# Altium PCB DIOT_SMA16.PcbDoc (part 5 of 6)
Units mm, origin at the board's own origin, x right, y up, seen from the top; angles counter-clockwise.
Board outline 222.37 x 100 mm, 6 copper layers (TopLayer, MidLayer1, MidLayer2, Layer 1, Layer 2, Bottom Layer), stack 1.556 mm thick; 440 components, 301 nets, 1807 pads, 862 vias.
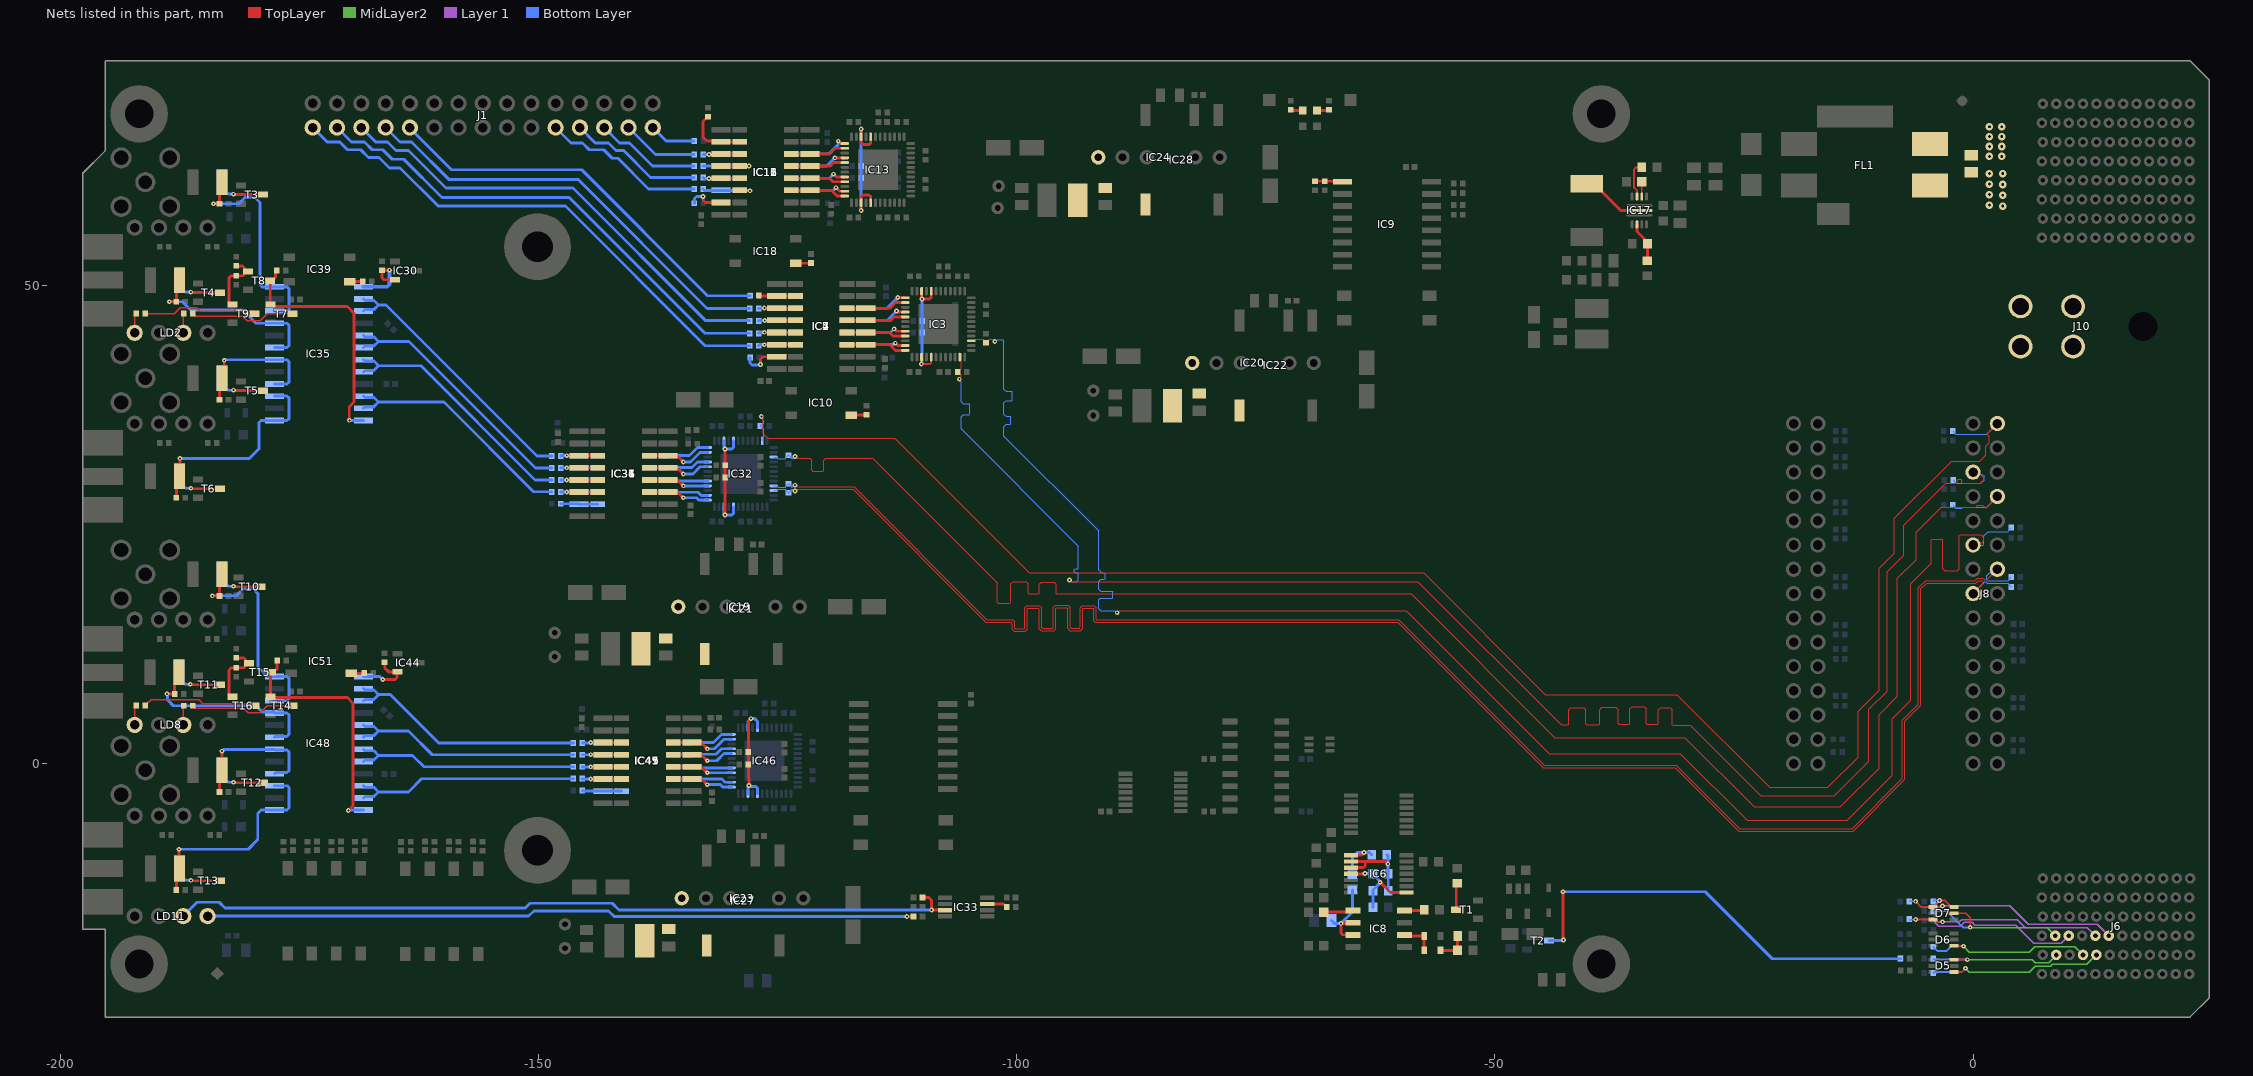
[diagram p9: the nets of this part, all layers, seen from the top]

## Via types
v1: diameter 0.5, hole 0.2, TopLayer to Bottom Layer, tented both sides, 762 vias
v2: diameter 0.8, hole 0.3, TopLayer to Bottom Layer, tented both sides, 100 vias

## Nets (pads, with @x,y where several pads share a name; then routed paths per layer and width w, separated by ;. In a path a pad name is that pad's centre, name@x,y a point inside that pad or via, vN(x,y) a via of type N, cw(c..) or ccw(c..) an arc to the next point about the centre after c; other vN are vias at no path point) (continued)
LVDS_DUAL.LVDS_N4: IC32.10 J8.15 R76.2 R167.2 | length 183.1
  TopLayer w0.12: v1(-123.2,28.496) -123.117,28.496 -122.94,28.674 -117.114,28.674 -103.24,14.8 -100.564,14.8 -100.493,14.73 -100.493,14.07 -100.268,13.844 -99.125,13.844 -98.899,14.07 -98.899,16.195 -98.829,16.265 -97.735,16.265 -97.665,16.195 -97.665,14.107 -97.439,13.882 -96.126,13.882 -95.9,14.107 -95.9,16.238 -95.83,16.309 -94.735,16.309 -94.665,16.238 -94.665,14.139 -94.439,13.913 -93.326,13.913 -93.1,14.139 -93.1,16.2 -93.03,16.27 -92.022,16.27 -91.952,16.2 -91.952,14.955 -91.796,14.8 -60.174,14.8 -44.962,-0.412 -31.162,-0.412 -24.512,-7.062 -12.538,-7.062 -7.125,-1.649 -7.125,4.425 -5.45,6.1 -5.45,18.276 -4.843,18.883 0.285,18.883 0.547,19.145 0.9,19.145 1.05,18.995 1.05,18.83 J8.15@0,17.78
  Bottom Layer w0.085: IC32.10@-125.423,28.55 -125.109,28.55 -124.966,28.694 -124.19,28.694 -124.14,28.644 -124.14,28.577 -123.893,28.33 R76.2@-123.873,28.33 -123.853,28.33 -123.606,28.577 -123.606,28.644 -123.556,28.694 -123.457,28.694 -123.26,28.496 v1(-123.2,28.496)
  Bottom Layer w0.12: J8.15@0,17.78 1.215,18.995 1.314,18.995 1.47,18.839 3.7,18.839 3.77,18.769 3.77,18.705 R167.2@4,18.475
LVDS_DUAL.LVDS_P0: IC32.47 J8.2 R64.1 R145.2 | length 184.2
  TopLayer w0.12: v1(-126.716,36.3) -126.716,36.217 -126.539,36.04 -126.539,34.516 -126.022,34 -112.775,34 -98.722,19.947 -57.447,19.947 -44.715,7.215 -30.965,7.215 -21.263,-2.487 -15.197,-2.487 -12.022,0.687 -12.022,5.478 -9.822,7.678 -9.822,20.412 -8.229,22.006 -8.229,25.655 -2.246,31.638 0.713,31.638 1.316,32.241 1.316,33.182 1.702,33.568 1.702,34.183 1.482,34.403 1.482,34.502 J8.2@2.54,35.56
  Bottom Layer w0.085: v1(-126.716,36.3) -126.716,36.246 -126.512,36.043 -126.512,35.807 -126.479,35.774 -126.479,35.617 -126.529,35.567 -126.596,35.567 -126.843,35.32 R64.1@-126.843,35.3 -126.843,35.28 -126.596,35.033 -126.529,35.033 -126.479,34.983 -126.479,34.207 -126.623,34.064 IC32.47@-126.623,33.75
  Bottom Layer w0.12: R145.2@-2.123,34.8 -1.893,34.57 -1.893,34.51 -1.823,34.44 1.42,34.44 J8.2@2.54,35.56
LVDS_DUAL.LVDS_P1: IC3.47 J8.5 R6.1 R146.2 | length 183.7
  TopLayer w0.085: v1(-106.009,40.2) -106.009,40.254 -105.805,40.457 -105.805,40.649 -105.855,40.699 -105.921,40.699 -106.169,40.947 R6.1@-106.169,40.967 -106.169,40.987 -105.921,41.234 -105.855,41.234 -105.805,41.284 -105.805,42.059 -105.949,42.203 IC3.47@-105.949,42.517
  TopLayer w0.12: v1(-94.5,19.2) -94.417,19.2 -94.24,19.023 -58.048,19.023 -43.079,4.054 -42.36,4.054 -42.29,4.124 -42.29,5.61 -42.065,5.836 -40.718,5.836 -40.493,5.61 -40.493,4.151 -40.422,4.081 -39.132,4.081 -39.062,4.151 -39.062,5.649 -38.837,5.874 -37.346,5.874 -37.12,5.649 -37.12,4.177 -37.05,4.107 -35.948,4.107 -35.877,4.177 -35.877,5.713 -35.652,5.939 -34.396,5.939 -34.171,5.713 -34.171,4.177 -34.1,4.107 -32.97,4.107 -32.9,4.177 -32.9,5.633 -32.674,5.858 -31.661,5.858 -31.435,5.633 -31.435,4.07 -31.365,4 -29.576,4 -22.203,-3.372 -14.505,-3.372 -10.887,0.245 -10.887,5.662 -8.962,7.587 -8.962,20.048 -7.228,21.783 -7.228,24.952 -2.86,29.321 -1.713,29.321 -1.643,29.391 -1.643,29.656 -1.572,29.727 -1.27,29.727 -1.2,29.656 -1.2,29.391 -1.13,29.321 0.724,29.321 1.111,29.707 1.111,29.886 0.801,30.197 0.283,30.197 J8.5@0,30.48
  Bottom Layer w0.12: v1(-106.009,40.2) -106.009,40.117 -105.831,39.94 -105.831,37.868 -105.606,37.642 -104.986,37.642 -104.915,37.572 -104.915,36.57 -104.986,36.5 -105.606,36.5 -105.831,36.275 -105.831,35.015 -93.553,22.736 -93.553,20.451 -93.623,20.38 -93.906,20.38 -93.976,20.31 -93.976,20.054 -93.906,19.984 -93.623,19.984 -93.553,19.914 -93.553,19.222 -93.752,19.023 -94.24,19.023 -94.417,19.2 v1(-94.5,19.2) ; R146.2@-2.085,29.675 -1.855,29.445 -1.855,29.39 -1.785,29.32 0.827,29.32 1.144,29.637 1.144,30.051 0.91,30.285 0.195,30.285 J8.5@0,30.48
LVDS_DUAL.LVDS_P2: IC32.3 J8.8 R71.1 R147.2 | length 184.1
  TopLayer w0.12: v1(-123.2,32.116) -123.117,32.116 -122.94,31.939 -121.641,31.939 -121.416,31.713 -121.416,30.658 -121.345,30.587 -120.27,30.587 -120.2,30.658 -120.2,31.713 -119.974,31.939 -115.08,31.939 -102.032,18.89 -102.032,16.854 -101.962,16.784 -100.683,16.784 -100.613,16.854 -100.613,18.803 -100.387,19.029 -99.028,19.029 -98.802,18.803 -98.802,17.813 -98.732,17.742 -97.743,17.742 -97.673,17.813 -97.673,18.745 -97.448,18.97 -96.088,18.97 -95.863,18.745 -95.863,17.765 -58.765,17.765 -43.727,2.728 -30.128,2.728 -22.903,-4.497 -13.876,-4.497 -9.837,-0.459 -9.837,5.137 -7.912,7.062 -7.912,19.372 -5.962,21.322 -5.962,24.187 -3.337,26.812 0.258,26.812 0.482,27.036 1.004,27.036 1.267,26.773 1.373,26.773 J8.8@2.54,27.94
  Bottom Layer w0.085: IC32.3@-125.423,32.05 -125.109,32.05 -124.966,31.906 -124.74,31.906 -124.19,31.906 -124.14,31.956 -124.14,32.023 -123.893,32.27 R71.1@-123.873,32.27 -123.853,32.27 -123.606,32.023 -123.606,31.956 -123.556,31.906 -123.455,31.906 -123.245,32.116 v1(-123.2,32.116)
  Bottom Layer w0.12: R147.2@-2.123,27.05 -1.893,26.82 -1.893,26.753 -1.823,26.682 -1.162,26.682 -1.033,26.812 1.412,26.812 J8.8@2.54,27.94
LVDS_DUAL.LVDS_P3: IC3.3 J8.11 R12.1 R148.2 | length 182.2
  TopLayer w0.085: IC3.3@-104.749,44.217 -104.435,44.217 -104.291,44.361 -103.516,44.361 -103.466,44.31 -103.466,44.244 -103.219,43.997 R12.1@-103.199,43.997 -103.179,43.997 -102.931,44.244 -102.931,44.31 -102.881,44.361 -102.5,44.361 -102.3,44.161 v1(-102.3,44.157)
  TopLayer w0.12: v1(-89.5,15.784) -89.417,15.784 -89.24,15.961 -59.261,15.961 -44.335,1.035 -30.61,1.035 -23.638,-5.937 -13.167,-5.937 -8.447,-1.218 -8.447,4.678 -6.522,6.603 -6.522,18.817 -4.385,20.955 -4.385,23.397 -4.315,23.467 -3.235,23.467 -3.165,23.397 -3.165,20.387 -2.939,20.161 -1.657,20.161 -1.431,20.387 -1.431,23.877 -1.361,23.947 0.8,23.947 1.111,23.636 1.111,23.317 0.9,23.106 0.246,23.106 J8.11@0,22.86
  Bottom Layer w0.12: v1(-102.3,44.157) -102.197,44.157 -102.046,44.308 -101.49,44.308 -101.353,44.17 -101.353,39.146 -101.127,38.921 -100.541,38.921 -100.471,38.85 -100.471,38.011 -100.541,37.941 -101.127,37.941 -101.353,37.715 -101.353,36.526 -101.127,36.3 -100.689,36.3 -100.618,36.23 -100.618,35.548 -100.689,35.478 -101.127,35.478 -101.353,35.253 -101.353,34.252 -91.453,24.352 -91.453,20.269 -91.159,19.976 -90.83,19.976 -90.759,19.906 -90.759,19.327 -90.83,19.257 -91.227,19.257 -91.453,19.031 -91.453,18.259 -91.227,18.034 -90.029,18.034 -89.959,17.963 -89.959,17.362 -90.029,17.291 -91.297,17.291 -91.453,17.136 -91.453,16.187 -91.227,15.961 -89.76,15.961 -89.583,15.784 v1(-89.5,15.784) ; J8.11@0,22.86 1.067,22.86 1.137,22.93 1.137,23.808 1.587,24.258 3.675,24.258 3.745,24.328 3.745,24.445 R148.2@3.975,24.675
LVDS_DUAL.LVDS_P4: IC32.9 J8.14 R76.1 R149.2 | length 183.3
  TopLayer w0.12: v1(-123.2,29.116) -123.117,29.116 -122.94,28.939 -117.004,28.939 -103.13,15.065 -100.454,15.065 -100.228,14.839 -100.228,14.179 -100.158,14.109 -99.234,14.109 -99.164,14.179 -99.164,16.305 -98.939,16.53 -97.626,16.53 -97.4,16.305 -97.4,14.217 -97.33,14.147 -96.235,14.147 -96.165,14.217 -96.165,16.348 -95.939,16.574 -94.626,16.574 -94.4,16.348 -94.4,14.249 -94.33,14.178 -93.435,14.178 -93.365,14.249 -93.365,16.309 -93.139,16.535 -91.912,16.535 -91.687,16.309 -91.687,15.065 -60.065,15.065 -44.852,-0.147 -31.053,-0.147 -24.403,-6.797 -12.648,-6.797 -7.39,-1.539 -7.39,4.535 -5.715,6.21 -5.715,18.386 -4.953,19.148 0.176,19.148 0.438,19.41 1.018,19.41 1.225,19.203 1.423,19.203 J8.14@2.54,20.32
  Bottom Layer w0.085: IC32.9@-125.423,29.05 -125.109,29.05 -124.966,28.906 -124.19,28.906 -124.14,28.956 -124.14,29.023 -123.893,29.27 R76.1@-123.873,29.27 -123.853,29.27 -123.606,29.023 -123.606,28.956 -123.556,28.906 -123.455,28.906 -123.245,29.116 v1(-123.2,29.116)
  Bottom Layer w0.12: J8.14@2.54,20.32 2.14,20.32 1.455,19.636 1.455,19.228 1.579,19.104 3.671,19.104 3.77,19.203 3.77,19.295 R149.2@4,19.525
NetC8_2: C8.2 IC8.6 IC8.7 R35.2 | length 8.7
  TopLayer w0.3: IC8.7@-64.85,-17.91 -64.86,-17.9 -65.924,-17.9 -66.1,-17.724 v1(-66.1,-16.7) -64.91,-16.7 IC8.6@-64.85,-16.64
  Bottom Layer w0.3: C8.2@-67.1,-16.4 -66.8,-16.7 v1(-66.1,-16.7) -64.9,-15.5 R35.2@-64.9,-13.2
NetC11_2: C11.2 IC8.5 | length 3.1
  TopLayer w0.3: C11.2@-67.9,-15.525 -65.005,-15.525 IC8.5@-64.85,-15.37
NetC12_2: C12.2 D2.1 R39.2 | length 3.3
  TopLayer w0.3: D2.1@-55.7,-19.525 C12.2@-53.9,-19.525 R39.2@-53.9,-18.025
NetC38_2: C38.2 IC19.6 IC21.8 L1.2
NetC48_2: C48.2 IC20.6 IC22.8 L2.2
NetC59_2: C59.2 IC23.6 IC27.8 L3.2
NetC68_2: C68.2 IC24.6 IC28.8 L4.2
NetC79_2: C79.2 IC17.9 | length 1.5
  TopLayer w0.2: IC17.9@-34.65,59.3 C79.2@-34.65,60.85
NetC264_1: C264.1 FL1.3 J10.1 J10.2
  other v2: 1.7,63.5 3,63.5 1.7,64.533 3,64.533 1.7,65.567 3,65.567 1.7,66.6 3,66.6
NetC264_2: C264.2 FL1.1 J10.3 J10.4
  other v2: 3.1,58.3 1.7,58.4 3.1,59.433 1.7,59.5 3.1,60.567 1.7,60.6 1.7,61.7 3.1,61.7
NetD1_2: D1.2 D2.2 IC8.2 | length 3.6
  TopLayer w0.3: IC8.2@-59.45,-17.91 -59.335,-18.025 D1.2@-57.4,-18.025 D2.2@-57.4,-19.525
NetD5_4: D5.4 J6.H2 R133.2 | length 19.5
  TopLayer w0.2: D5.4@-2,-21.8 -1.2,-21.8 v1(-0.8,-21.4)
  MidLayer2 w0.15: v1(-0.8,-21.4) -0.4,-21.8 5.9,-21.8 6.5,-21.2 8.1,-21.2 8.3,-21 11.896,-21 J6.H2@12.896,-20
  Bottom Layer w0.2: R133.2@-4.16,-21.9 -4.06,-21.8 -1.2,-21.8 v1(-0.8,-21.4)
NetD5_6: D5.6 J6.K2 R138.2 | length 14.8
  TopLayer w0.2: D5.6@-2,-20.5 v1(-0.6,-20.5)
  MidLayer2 w0.15: v1(-0.6,-20.5) 6.2,-20.5 6.507,-20.806 7.89,-20.806 J6.K2@8.696,-20
  Bottom Layer w0.2: R138.2@-4.16,-20.4 -4.06,-20.5 v1(-0.6,-20.5)
NetD6_4: D6.4 J6.I2 R137.2 | length 17.9
  TopLayer w0.2: D6.4@-2,-19.05 -1.95,-19.1 v1(-1,-19.1)
  MidLayer2 w0.15: v1(-1,-19.1) -0.399,-19.701 5.899,-19.701 6.457,-19.143 10.639,-19.143 J6.I2@11.496,-20
  Bottom Layer w0.2: R137.2@-4.16,-19.15 -4.16,-19.17 -3.93,-19.4 -3.91,-19.4 -3.71,-19.6 -2.8,-19.6 -2.3,-19.1 v1(-1,-19.1)
NetD7_1: D7.1 J6.G3 R139.2 | length 22.4
  TopLayer w0.2: v1(-6,-14.4) -5.4,-15 -3.401,-15 -3.281,-14.88 v1(-3.2,-14.88)
  Layer 1 w0.15: v1(-3.2,-14.88) 3.851,-14.88 5.749,-16.778 12.974,-16.778 J6.G3@14.196,-18
  Bottom Layer w0.15: R139.2@-6.66,-14.4 v1(-6,-14.4)
NetD7_3: D7.3 J6.H3 R135.2 | length 20.4
  TopLayer w0.2: v1(-6,-16.3) -3.925,-16.3 -3.825,-16.4 -3.825,-16.423 -3.708,-16.54 v1(-3.2,-16.54)
  Layer 1 w0.15: v1(-3.2,-16.54) -1.44,-16.54 -1.2,-16.3 4.595,-16.3 5.463,-17.169 11.965,-17.169 J6.H3@12.796,-18
  Bottom Layer w0.15: R135.2@-6.66,-16.4 -6.56,-16.3 v1(-6,-16.3)
NetD7_5: D7.5 J6.K3 R134.2 | length 16.7
  TopLayer w0.2: D7.5@-2,-15.65 -0.75,-15.65 -0.3,-16.1 -0.3,-17.115 v1(-0.297,-17.118)
  MidLayer2 w0.15: v1(-0.297,-17.118) -0.266,-17.149 7.745,-17.149 J6.K3@8.596,-18
  Bottom Layer w0.2: R134.2@-4.16,-15.4 -2.8,-15.4 -1.082,-17.118 v1(-0.297,-17.118)
NetD7_6: D7.6 J6.J3 R132.2 | length 20.5
  TopLayer w0.2: v1(-3.5,-14.3) -2.95,-14.3 -2.375,-14.875 -2.375,-14.9 -2.275,-15 D7.6@-2,-15
  Layer 1 w0.15: v1(-3.5,-14.3) -3.96,-14.76 -3.96,-16.62 -3.58,-17 -1.3,-17 -0.9,-16.6 -0.1,-16.6 0.2,-16.9 4.477,-16.9 6.368,-18.791 9.205,-18.791 J6.J3@9.996,-18
  Bottom Layer w0.15: R132.2@-4.16,-14.4 -4.06,-14.3 v1(-3.5,-14.3)
NetIC2_3: IC2.3 IC4.3 IC5.14 IC7.14 R7.2 | length 7.2
  TopLayer w0.3: v1(-126.4,43.8) -126.388,43.812 IC7.14@-125.099,43.812 IC5.14@-123.149,43.812
  Bottom Layer w0.3: R7.2@-127,43.7 -126.888,43.812 IC4.3@-125.099,43.812 IC2.3@-123.149,43.812
NetIC2_4: IC2.4 IC4.4 IC5.13 IC7.13 R8.2 | length 7.1
  TopLayer w0.3: v1(-126.4,45.1) -126.382,45.082 IC7.13@-125.099,45.082 IC5.13@-123.149,45.082
  Bottom Layer w0.3: R8.2@-127,45 -126.918,45.082 IC4.4@-125.099,45.082 IC2.4@-123.149,45.082
NetIC2_5: IC2.5 IC4.5 IC5.12 IC7.12 R9.2 | length 7.1
  TopLayer w0.3: v1(-126.352,46.348) -126.352,46.352 IC7.12@-125.099,46.352 IC5.12@-123.149,46.352
  Bottom Layer w0.3: R9.2@-127,46.3 -126.948,46.352 IC4.5@-125.099,46.352 IC2.5@-123.149,46.352
NetIC2_6: IC2.6 IC4.6 IC5.11 IC7.11 R10.2 | length 7.1
  TopLayer w0.3: v1(-126.4,47.643) -126.378,47.622 IC7.11@-125.099,47.622 IC5.11@-123.149,47.622
  Bottom Layer w0.3: R10.2@-127,47.6 -126.978,47.622 IC4.6@-125.099,47.622 IC2.6@-123.149,47.622
NetIC2_11: IC2.11 IC3.25 IC4.11 | length 6.6
  TopLayer w0.3: v1(-112.447,48.737) -112.447,48.721 -112.443,48.717 IC3.25@-111.649,48.717
  Bottom Layer w0.3: IC2.11@-117.749,47.622 IC4.11@-115.799,47.622 -113.546,47.622 -112.447,48.721 v1(-112.447,48.737)
NetIC2_12: IC2.12 IC3.28 IC4.12 | length 6.6
  TopLayer w0.3: v1(-112.574,47.342) -112.449,47.217 IC3.28@-111.649,47.217
  Bottom Layer w0.3: IC2.12@-117.749,46.352 IC4.12@-115.799,46.352 -113.564,46.352 v1(-112.574,47.342)
NetIC2_13: IC2.13 IC3.32 IC4.13 | length 6.4
  TopLayer w0.3: v1(-112.824,45.467) -112.574,45.217 IC3.32@-111.649,45.217
  Bottom Layer w0.3: IC2.13@-117.749,45.082 IC4.13@-115.799,45.082 -113.209,45.082 v1(-112.824,45.467)
NetIC2_14: IC2.14 IC3.35 IC4.14 | length 6.3
  TopLayer w0.3: v1(-112.699,43.967) -112.449,43.717 IC3.35@-111.649,43.717
  Bottom Layer w0.3: IC2.14@-117.749,43.812 IC4.14@-115.799,43.812 -112.908,43.812 -112.753,43.967 v1(-112.699,43.967)
NetIC3_20: IC3.20 IC3.22 IC3.39 IC3.41 R5.1 R14.1 | length 11.8
  TopLayer w0.2: v1@-110,41.8 -109.974,41.826 -109.974,42.491 IC3.39@-109.949,42.517 ; v1(-109.98,41.8) -109.066,41.8 -108.949,41.917 IC3.41@-108.949,42.517
  TopLayer w0.3: IC3.22@-109.949,49.417 -109.949,48.649 v1(-109.9,48.6) -109.124,48.6 -108.949,48.776 IC3.20@-108.949,49.417
  Bottom Layer w0.3: v1(-109.98,41.8) -109.98,41.854 -109.9,41.934 R14.1@-109.9,45.1 R5.1@-109.9,46.3 v1(-109.9,48.6)
NetIC3_26: IC3.26 IC5.6 IC7.6 | length 6.3
  TopLayer w0.3: IC5.6@-117.749,47.622 IC7.6@-115.799,47.622 -113.294,47.622 -112.699,48.217 IC3.26@-111.649,48.217
NetIC3_29: IC3.29 IC5.5 IC7.5 | length 6.3
  TopLayer w0.3: IC5.5@-117.749,46.352 IC7.5@-115.799,46.352 -113.189,46.352 -112.824,46.717 IC3.29@-111.649,46.717
NetIC3_33: IC3.33 IC5.4 IC7.4 | length 6.3
  TopLayer w0.3: IC5.4@-117.749,45.082 IC7.4@-115.799,45.082 -113.314,45.082 -112.949,44.717 -111.949,44.717 IC3.33@-111.649,44.717
NetIC3_36: IC3.36 IC5.3 IC7.3 | length 6.3
  TopLayer w0.3: IC5.3@-117.749,43.812 IC7.3@-115.799,43.812 -113.294,43.812 -112.699,43.217 IC3.36@-111.649,43.217
NetIC5_10: IC5.10 IC7.10 R17.1 | length 3.9
  TopLayer w0.3: R17.1@-126.979,48.967 -126.904,48.892 IC7.10@-125.099,48.892 IC5.10@-123.149,48.892
NetIC6_1: IC6.1 IC6.11 R28.1 R37.1 R38.1 | length 9.6
  TopLayer w0.3: IC6.11@-65.05,-11.525 -63.625,-11.525 v1(-63.6,-11.5) ; v1(-62,-12.4) -60.925,-13.475 IC6.1@-59.25,-13.475
  Bottom Layer w0.3: v1(-63.6,-11.5) -62.775,-11.5 R38.1@-62.75,-11.525 -62.75,-11.575 -62.038,-12.287 -62.038,-12.362 v1(-62,-12.4) -62.038,-12.438 -62.038,-12.513 -62.75,-13.225 R28.1@-62.75,-15.025
NetIC6_8: IC6.8 R35.1 R43.1 | length 5.6
  TopLayer w0.3: IC6.8@-65.05,-9.575 -63.975,-9.575 v1(-63.7,-9.3)
  Bottom Layer w0.3: R35.1@-64.9,-11.6 -64.9,-9.8 -64.4,-9.3 v1(-63.7,-9.3) -63.125,-9.3 R43.1@-62.9,-9.525
NetIC6_9: IC6.9 IC6.10 R37.2 R38.2 R43.2 | length 9.8
  TopLayer w0.3: IC6.10@-65.05,-10.875 -63.731,-10.875 -63.556,-10.699 -63.556,-10.225 ; IC6.9@-65.05,-10.225 -63.556,-10.225 ; v1(-61.2,-10.5) -61.475,-10.225 -63.556,-10.225
  Bottom Layer w0.3: R43.2@-61.3,-9.525 -61.2,-9.625 v1(-61.2,-10.5) -61.2,-11.475 R38.2@-61.15,-11.525 R37.2@-61.15,-13.275
NetIC7_15: IC7.15 R18.2 | length 4.2
  TopLayer w0.3: v1(-126.8,41.751) -126.8,42.3 -126.558,42.542 IC7.15@-125.099,42.542
  Bottom Layer w0.3: R18.2@-127.889,42.467 -127.9,42.455 -127.9,41.9 -127.7,41.7 -126.8,41.7 v1(-126.8,41.751)
NetIC8_4: IC8.4 R32.2 | length 2.1
  TopLayer w0.3: IC8.4@-59.45,-15.37 -57.495,-15.37 R32.2@-57.4,-15.275
NetIC9_1: IC9.1 R55.2 R56.2 | length 2.9
  TopLayer w0.3: R56.2@-68.8,60.9 R55.2@-67.8,60.9 -66.005,60.9 IC9.1@-65.95,60.845
NetIC10_1: IC10.1 R19.1 | length 1.6
  TopLayer w0.3: IC10.1@-117.299,36.447 -115.719,36.447 R19.1@-115.699,36.467
NetIC11_3: IC11.3 IC12.3 IC15.14 R20.2 | length 6.1
  TopLayer w0.3: IC15.14@-128.976,59.945 -128.931,59.9 v1(-127.9,59.9)
  Bottom Layer w0.3: R20.2@-132.8,60.1 -132.645,59.945 IC12.3@-130.926,59.945 IC11.3@-128.976,59.945 -128.953,59.922 -127.922,59.922 v1(-127.9,59.9)
NetIC11_4: IC11.4 IC12.4 IC15.13 IC16.13 R21.2 | length 7.1
  TopLayer w0.3: v1(-132.2,61.2) -130.941,61.2 IC16.13@-130.926,61.215 IC15.13@-128.976,61.215
  Bottom Layer w0.3: R21.2@-132.8,61.3 -132.7,61.2 v1(-132.2,61.2) -130.941,61.2 IC12.4@-130.926,61.215 IC11.4@-128.976,61.215
NetIC11_5: IC11.5 IC12.5 IC15.12 IC16.12 R22.2 | length 6.8
  TopLayer w0.3: IC16.12@-130.926,62.485 IC15.12@-128.976,62.485 -128.015,62.485 v1(-128,62.5)
  Bottom Layer w0.3: R22.2@-132.8,62.5 -130.941,62.5 IC12.5@-130.926,62.485 IC11.5@-128.976,62.485
NetIC11_6: IC11.6 IC12.6 IC15.11 IC16.11 R23.2 | length 7.1
  TopLayer w0.3: v1(-132.2,63.7) -132.145,63.755 IC16.11@-130.926,63.755 IC15.11@-128.976,63.755
  Bottom Layer w0.3: R23.2@-132.8,63.7 v1(-132.2,63.7) -130.981,63.7 IC12.6@-130.926,63.755 IC11.6@-128.976,63.755
NetIC11_11: IC11.11 IC12.11 IC13.25 | length 6.5
  TopLayer w0.3: v1(-118.673,65.093) -118.43,64.85 IC13.25@-117.976,64.85
  Bottom Layer w0.3: IC11.11@-123.576,63.755 IC12.11@-121.626,63.755 -121.606,63.774 -119.614,63.774 -118.673,64.715 v1(-118.673,65.093)
NetIC11_12: IC11.12 IC12.12 IC13.28 | length 6
  TopLayer w0.3: v1(-119.026,63.35) IC13.28@-117.976,63.35
  Bottom Layer w0.3: IC11.12@-123.576,62.485 IC12.12@-121.626,62.485 -119.891,62.485 v1(-119.026,63.35)
NetIC11_13: IC11.13 IC12.13 IC13.32 | length 5.9
  TopLayer w0.3: v1(-119.155,61.641) -118.864,61.35 IC13.32@-117.976,61.35
  Bottom Layer w0.3: IC11.13@-123.576,61.215 -119.581,61.215 v1(-119.155,61.641)
NetIC11_14: IC11.14 IC12.14 IC13.35 | length 5.9
  TopLayer w0.3: v1(-118.901,60.225) -118.526,59.85 IC13.35@-117.976,59.85
  Bottom Layer w0.3: IC11.14@-123.576,59.945 IC12.14@-121.626,59.945 -119.181,59.945 v1(-118.901,60.225)
NetIC13_20: IC13.20 IC13.22 IC13.39 IC13.41 R26.1 R41.1 | length 15
  TopLayer w0.3: v1(-116.276,57.85) IC13.39@-116.276,58.65 -116.276,59.299 -116.1,59.475 -115.451,59.475 -115.276,59.299 -115.276,58.95 IC13.41@-115.276,58.65 ; v1(-116.276,66.35) IC13.22@-116.276,65.55 -116.276,64.901 -116.1,64.725 -115.451,64.725 -115.276,64.901 IC13.20@-115.276,65.55
  Bottom Layer w0.3: v1(-116.276,57.85) v1(-116.276,66.35)
NetIC13_26: IC13.26 IC15.6 IC16.6 | length 6.5
  TopLayer w0.3: IC15.6@-123.576,63.755 IC16.6@-121.626,63.755 -119.621,63.755 -119.026,64.35 IC13.26@-117.976,64.35 -118.651,64.35
NetIC13_29: IC13.29 IC15.5 IC16.5 | length 5.8
  TopLayer w0.3: IC15.5@-123.576,62.485 IC16.5@-121.626,62.485 -119.516,62.485 -119.151,62.85 IC13.29@-117.976,62.85
NetIC13_33: IC13.33 IC15.4 IC16.4 | length 5.8
  TopLayer w0.3: IC15.4@-123.576,61.215 IC16.4@-121.626,61.215 -119.576,61.215 -119.211,60.85 IC13.33@-117.976,60.85
NetIC13_36: IC13.36 IC15.3 IC16.3 | length 5.8
  TopLayer w0.3: IC15.3@-123.576,59.945 IC16.3@-121.626,59.945 -119.371,59.945 -118.776,59.35 IC13.36@-117.976,59.35
NetIC15_10: IC15.10 IC16.10 R34.2 | length 6.4
  TopLayer w0.3: R34.2@-132.3,67.66 -132.8,67.16 -132.8,65.5 -132.4,65.1 -131.001,65.1 IC16.10@-130.926,65.025 IC15.10@-128.976,65.025
NetIC16_15: IC16.15 R48.2 | length 3.9
  TopLayer w0.3: v1(-132.8,59.3) -132.8,58.9 -132.575,58.675 IC16.15@-130.926,58.675
  Bottom Layer w0.3: R48.2@-133.716,58.6 -133.7,58.616 -133.7,59.1 -133.5,59.3 v1(-132.8,59.3)
NetIC17_2: IC17.2 L10.1 | length 6.6
  TopLayer w0.3: L10.1@-40.4,60.625 -39.625,60.625 -38.85,59.85 -36.85,57.85 IC17.2@-34.9,57.85
NetIC17_5: IC17.5 R153.1 R155.1 | length 4.3
  TopLayer w0.3: IC17.5@-35.15,56.4 -35.15,55.65 -34.35,54.85 -34.35,54.65 R155.1@-34.05,54.35 R153.1@-34.05,52.6
NetIC17_10: IC17.10 R154.2 | length 3.9
  TopLayer w0.2: IC17.10@-35.15,59.3 -35.15,59.95 -35.446,60.246 -35.446,62.154 -35.283,62.317 -34.683,62.317 R154.2@-34.65,62.35
NetIC18_1: IC18.1 R50.1 | length 1.6
  TopLayer w0.3: IC18.1@-123.126,52.33 -121.546,52.33 R50.1@-121.526,52.35
NetIC30_2: IC30.2 IC35.13 R58.2 | length 7.3
  TopLayer w0.3: R58.2@-166.373,51.58 -166.373,50.8 -166.173,50.6 IC30.2@-165.023,50.6
  TopLayer w0.4: R58.2@-166.373,51.58 -166.353,51.6 v1(-165.6,51.6)
  Bottom Layer w0.4: IC35.13@-168.323,49.86 -165.834,49.86 -165.6,50.094 v1(-165.6,51.6)
NetIC31_3: IC31.3 IC34.3 IC36.14 IC37.14 R66.2 | length 7.1
  TopLayer w0.3: v1(-147.057,32.205) IC34.3@-145.773,32.205 IC31.3@-143.823,32.205
  Bottom Layer w0.3: R66.2@-147.683,32.175 -147.653,32.205 IC37.14@-145.773,32.205 IC36.14@-143.823,32.205
NetIC31_4: IC31.4 IC34.4 IC36.13 IC37.13 R67.2 | length 7.1
  TopLayer w0.3: v1(-147.057,30.935) IC34.4@-145.773,30.935 IC31.4@-143.823,30.935
  Bottom Layer w0.3: R67.2@-147.683,30.925 -147.673,30.935 IC37.13@-145.773,30.935 IC36.13@-143.823,30.935
NetIC31_5: IC31.5 IC34.5 IC36.12 IC37.12 R70.2 | length 7.1
  TopLayer w0.3: v1(-147.057,29.665) IC34.5@-145.773,29.665 IC31.5@-143.823,29.665
  Bottom Layer w0.3: R70.2@-147.683,29.675 -147.673,29.665 IC37.12@-145.773,29.665 IC36.12@-143.823,29.665
NetIC31_6: IC31.6 IC34.6 IC36.11 IC37.11 R73.2 | length 7.1
  TopLayer w0.3: v1(-147.057,28.395) IC34.6@-145.773,28.395 IC31.6@-143.823,28.395
  Bottom Layer w0.3: R73.2@-147.683,28.425 -147.653,28.395 v1(-147.057,28.395) IC37.11@-145.773,28.395 IC36.11@-143.823,28.395
NetIC31_11: IC31.11 IC32.25 IC34.11 | length 6.5
  TopLayer w0.3: IC31.11@-138.423,28.395 IC34.11@-136.473,28.395 -136.323,28.245 -135.318,28.245 v1(-134.873,27.8)
  Bottom Layer w0.3: v1(-134.873,27.8) -133.498,27.8 -133.248,27.55 IC32.25@-132.323,27.55
NetIC31_12: IC31.12 IC32.28 IC34.12 | length 6.3
  TopLayer w0.3: IC31.12@-138.423,29.665 -136.91,29.665 -136.76,29.515 -135.338,29.515 v1(-134.873,29.05)
  Bottom Layer w0.3: v1@-134.847,29.05 IC32.28@-132.323,29.05
NetIC31_13: IC31.13 IC32.32 IC34.13 | length 6.7
  TopLayer w0.3: IC31.13@-138.423,30.935 -136.676,30.935 -136.526,30.785 -135.358,30.785 v1(-134.873,30.3)
  Bottom Layer w0.3: v1(-134.873,30.3) -133.873,30.3 -133.123,31.05 IC32.32@-132.323,31.05
NetIC31_14: IC31.14 IC32.35 IC34.14 | length 6.8
  TopLayer w0.3: IC31.14@-138.423,32.205 IC34.14@-136.473,32.205 -136.323,32.055 -135.378,32.055 v1(-134.873,31.55)
  Bottom Layer w0.3: v1(-134.873,31.55) -134.123,31.55 -133.123,32.55 IC32.35@-132.323,32.55
NetIC32_20: IC32.20 IC32.22 IC32.39 IC32.41 R61.1 R81.1 | length 11.7
  TopLayer w0.3: v1(-130.5,26) R61.1@-130.5,31.2 v1(-130.5,32.9)
  Bottom Layer w0.3: v1@-130.623,26.177 IC32.22@-130.623,26.85 ; IC32.39@-130.623,33.75 -130.623,33.023 v1(-130.5,32.9) -129.799,32.9 -129.623,33.076 IC32.41@-129.623,33.75 ; v1(-130.5,26) -129.799,26 -129.623,26.176 IC32.20@-129.623,26.85
NetIC32_26: IC32.26 IC36.6 IC37.6 | length 6.2
  Bottom Layer w0.3: IC36.6@-138.423,28.395 IC37.6@-136.473,28.395 -136.454,28.376 -133.324,28.376 -132.998,28.05 IC32.26@-132.323,28.05
NetIC32_29: IC32.29 IC36.5 IC37.5 | length 6.1
  Bottom Layer w0.3: IC36.5@-138.423,29.665 IC37.5@-136.473,29.665 -136.358,29.55 IC32.29@-132.323,29.55
NetIC32_33: IC32.33 IC36.4 IC37.4 | length 6.4
  Bottom Layer w0.3: IC36.4@-138.423,30.935 IC37.4@-136.473,30.935 -136.434,30.974 -133.949,30.974 -133.373,31.55 IC32.33@-132.323,31.55
NetIC32_36: IC32.36 IC36.3 IC37.3 | length 6.5
  Bottom Layer w0.3: IC36.3@-138.423,32.205 IC37.3@-136.473,32.205 -134.218,32.205 -133.373,33.05 IC32.36@-132.323,33.05
NetIC33_3: IC33.3 LD11.3 R188.1 | length 83.1
  TopLayer w0.3: R188.1@-109.86,-14 -109.2,-14 -109.101,-14.099 -108.9,-14.3 v1(-108.9,-15.3) -107.525,-15.3 IC33.3@-107.5,-15.325
  Bottom Layer w0.3: LD11.3@-187.163,-15.95 -185.713,-14.5 -183.4,-14.5 -182.8,-15.1 -151.4,-15.1 -150.9,-14.6 -142.3,-14.6 -141.6,-15.3 v1(-108.9,-15.3)
NetIC33_7: IC33.7 R194.2 | length 2.2
  TopLayer w0.3: IC33.7@-103.1,-14.675 -101.375,-14.675 -101.21,-14.84 -101.19,-14.84 -101.05,-14.98 R194.2@-101.05,-15
NetIC35_1: IC35.1 IC35.3 R78.2 R80.2 | length 22.7
  TopLayer w0.3: R80.2@-187.873,27.8 -187.873,29.75 R78.2@-187.573,30.05 -187.498,30.125 v1(-187.498,31.925)
  Bottom Layer w0.3: v1(-187.498,31.925) -180.248,31.925 -179.248,32.925 -179.248,35.675 -179.033,35.89 IC35.1@-177.623,35.89 -176.299,35.89 -176.123,36.066 -176.123,38.254 -176.299,38.43 IC35.3@-177.623,38.43
NetIC35_4: IC35.4 IC35.6 R72.2 R75.2 | length 14.9
  TopLayer w0.3: R75.2@-183.373,38.05 -183.373,40.05 R72.2@-183.123,40.3 -182.873,40.55 v1(-182.873,42.175)
  Bottom Layer w0.3: v1(-182.873,42.175) -182.808,42.24 IC35.6@-177.623,42.24 -176.299,42.24 -176.123,42.064 -176.123,39.876 -176.299,39.7 IC35.4@-177.623,39.7
NetIC35_7: IC35.7 IC35.9 R65.2 R69.2 | length 20.4
  TopLayer w0.3: v1(-188.623,48.3) R69.2@-187.873,48.3 -187.873,50.25 R65.2@-187.573,50.55
  Bottom Layer w0.3: v1(-188.623,48.3) -187.248,48.3 -186.373,47.425 -180.948,47.425 -179.573,46.05 IC35.9@-177.623,46.05 -176.299,46.05 -176.123,45.874 -176.123,43.686 -176.299,43.51 IC35.7@-177.623,43.51
NetIC35_10: IC35.10 IC35.12 R60.2 R63.2 | length 23.9
  TopLayer w0.3: v1(-183.998,58.55) R63.2@-183.373,58.55 -183.373,60.55 R60.2@-183.123,60.8
  Bottom Layer w0.3: v1(-183.998,58.55) -181.361,58.55 -180.701,59.211 -179.673,59.211 -179.123,58.661 -179.123,50.05 -178.933,49.86 IC35.12@-177.623,49.86 -176.299,49.86 -176.123,49.684 -176.123,47.496 -176.299,47.32 IC35.10@-177.623,47.32
NetIC35_14: IC35.14 IC35.15 R66.1 | length 28.3
  Bottom Layer w0.3: IC35.15@-168.323,47.32 -168.173,47.47 -167.238,47.47 -166.748,47.96 ; IC35.14@-168.323,48.59 -168.173,48.44 -167.228,48.44 -166.748,47.96 ; R66.1@-148.623,32.175 -150.175,32.175 -165.96,47.96 -166.748,47.96
NetIC35_17: IC35.17 IC35.18 R67.1 | length 27.3
  Bottom Layer w0.3: IC35.18@-168.323,43.51 -168.173,43.66 -167.238,43.66 -166.748,44.15 ; IC35.17@-168.323,44.78 -168.173,44.63 -167.228,44.63 -166.748,44.15 ; R67.1@-148.623,30.925 -150.325,30.925 -163.55,44.15 -166.748,44.15
NetIC35_19: IC35.19 IC35.20 R70.1 | length 26.7
  Bottom Layer w0.3: IC35.20@-168.323,40.97 -168.173,41.12 -167.238,41.12 -166.748,41.61 ; IC35.19@-168.323,42.24 -168.173,42.09 -167.228,42.09 -166.748,41.61 ; R70.1@-148.623,29.675 -150.375,29.675 -162.31,41.61 -166.748,41.61
NetIC35_22: IC35.22 IC35.23 R73.1 | length 25.7
  Bottom Layer w0.3: IC35.23@-168.323,37.16 -168.173,37.31 -167.238,37.31 -166.748,37.8 ; IC35.22@-168.323,38.43 -168.173,38.28 -167.228,38.28 -166.748,37.8 ; R73.1@-148.623,28.425 -150.525,28.425 -159.9,37.8 -166.748,37.8
NetIC35_24: IC35.24 R90.1 T7.1 T8.3 | length 26
  TopLayer w0.3: R90.1@-177.373,51.55 -177.513,51.41 -177.513,50.86 -177.873,50.5 T8.3@-178.073,50.5 -178.073,48.05 T7.1@-178.023,48 -177.848,47.825 -177.497,47.825 -177.472,47.8 -170,47.8 -169.3,47.1 -169.3,37.8 -169.8,37.3 v1(-169.8,35.9)
  Bottom Layer w0.3: v1(-169.8,35.9) -169.79,35.89 IC35.24@-168.323,35.89
NetIC36_10: IC36.10 IC37.10 R91.1 | length 3.9
  Bottom Layer w0.3: R91.1@-147.683,27.175 -145.823,27.175 IC37.10@-145.773,27.125 IC36.10@-143.823,27.125
NetIC39_1: IC39.1 R99.1 | length 1.4
  TopLayer w0.3: IC39.1@-169.761,50.405 -168.431,50.405 R99.1@-168.411,50.425
NetIC41_3: IC41.3 IC45.3 IC47.14 IC49.14 R108.2 | length 7.4
  TopLayer w0.3: v1(-144.55,2.206) IC45.3@-143.267,2.206 IC41.3@-141.323,2.205
  Bottom Layer w0.3: R108.2@-145.433,2.175 -143.079,2.175 -143.049,2.205 IC47.14@-141.323,2.205
NetIC41_4: IC41.4 IC45.4 IC47.13 IC49.13 R110.2 | length 7.3
  TopLayer w0.3: v1(-144.55,0.936) IC45.4@-143.267,0.936 IC41.4@-141.323,0.935
  Bottom Layer w0.3: R110.2@-145.433,0.925 -145.423,0.935 IC49.13@-143.273,0.935 IC47.13@-141.323,0.935
NetIC41_5: IC41.5 IC45.5 IC47.12 IC49.12 R113.2 | length 7.3
  TopLayer w0.3: v1(-144.55,-0.334) IC45.5@-143.267,-0.334 IC41.5@-141.323,-0.335
  Bottom Layer w0.3: R113.2@-145.433,-0.325 -145.423,-0.335 IC49.12@-143.273,-0.335 IC47.12@-141.323,-0.335
NetIC41_6: IC41.6 IC45.6 IC47.11 IC49.11 R116.2 | length 7.4
  TopLayer w0.3: v1(-144.55,-1.604) IC45.6@-143.267,-1.604 IC41.6@-141.323,-1.605
  Bottom Layer w0.3: R116.2@-145.463,-1.575 -145.433,-1.605 IC49.11@-143.273,-1.605 IC47.11@-141.323,-1.605
NetIC41_11: IC41.11 IC45.11 IC46.25 | length 6.5
  TopLayer w0.3: IC41.11@-135.923,-1.605 IC45.11@-133.967,-1.604 ; IC45.11@-133.967,-1.604 -133.817,-1.754 -132.819,-1.754 v1(-132.373,-2.2)
  Bottom Layer w0.3: v1(-132.373,-2.2) -130.998,-2.2 -130.748,-2.45 IC46.25@-129.823,-2.45
NetIC41_12: IC41.12 IC45.12 IC46.28 | length 6.3
  TopLayer w0.3: IC41.12@-135.923,-0.335 IC45.12@-133.967,-0.334 ; IC45.12@-133.967,-0.334 -133.817,-0.484 -132.839,-0.484 v1(-132.373,-0.95)
  Bottom Layer w0.3: v1@-132.347,-0.95 IC46.28@-129.823,-0.95
NetIC41_13: IC41.13 IC45.13 IC46.32 | length 6.7
  TopLayer w0.3: IC41.13@-135.923,0.935 IC45.13@-133.967,0.936 ; IC45.13@-133.967,0.936 -133.817,0.786 -132.859,0.786 v1(-132.373,0.3)
  Bottom Layer w0.3: v1(-132.373,0.3) -131.373,0.3 -130.623,1.05 IC46.32@-129.823,1.05
NetIC41_14: IC41.14 IC45.14 IC46.35 | length 6.8
  TopLayer w0.3: IC41.14@-135.923,2.205 IC45.14@-133.967,2.206 ; IC45.14@-133.967,2.206 -133.817,2.056 -132.879,2.056 v1(-132.373,1.55)
  Bottom Layer w0.3: v1(-132.373,1.55) -131.623,1.55 -130.623,2.55 IC46.35@-129.823,2.55
NetIC44_2: IC44.2 IC48.13 R100.2 | length 6.4
  TopLayer w0.3: v1(-166.3,8.8) -165,8.8 -164.8,9 -164.8,9.573 IC44.2@-164.773,9.6 -165.673,9.6 -166.089,10.016 -166.089,10.546 R100.2@-166.123,10.58
  Bottom Layer w0.3: IC48.13@-168.323,9.11 -166.61,9.11 v1(-166.3,8.8)
NetIC46_20: IC46.20 IC46.22 IC46.39 IC46.41 R103.1 R125.1 | length 12.1
  TopLayer w0.3: v1(-128,-2.3) -128,-1.6 -128.06,-1.54 R125.1@-128.06,-0.1 R103.1@-128.06,1.2 -128.06,4.424 -127.8,4.684 v1(-127.8,4.7)
  Bottom Layer w0.3: IC46.22@-128.123,-3.15 -128.123,-2.477 -128,-2.354 v1(-128,-2.3) -127.9,-2.4 -127.299,-2.4 -127.123,-2.576 IC46.20@-127.123,-3.15 ; IC46.39@-128.123,3.75 -128.123,4.377 v1(-127.8,4.7) -127.4,4.7 -127.123,4.423 IC46.41@-127.123,3.75
NetIC46_26: IC46.26 IC47.6 IC49.6 | length 6.2
  Bottom Layer w0.3: IC47.6@-135.923,-1.605 IC49.6@-133.973,-1.605 -133.954,-1.624 -130.824,-1.624 -130.498,-1.95 IC46.26@-129.823,-1.95
NetIC46_29: IC46.29 IC47.5 IC49.5 | length 6.1
  Bottom Layer w0.3: IC47.5@-135.923,-0.335 IC49.5@-133.973,-0.335 -133.858,-0.45 IC46.29@-129.823,-0.45
NetIC46_33: IC46.33 IC47.4 IC49.4 | length 6.4
  Bottom Layer w0.3: IC47.4@-135.923,0.935 IC49.4@-133.973,0.935 -133.934,0.974 -131.449,0.974 -130.873,1.55 IC46.33@-129.823,1.55
NetIC46_36: IC46.36 IC47.3 IC49.3 | length 6.5
  Bottom Layer w0.3: IC47.3@-135.923,2.205 IC49.3@-133.973,2.205 -131.718,2.205 -130.873,3.05 IC46.36@-129.823,3.05
NetIC47_10: IC47.10 IC49.10 R165.2 | length 4.1
  Bottom Layer w0.3: R165.2@-145.433,-2.825 -145.383,-2.875 IC49.10@-143.273,-2.875 IC47.10@-141.323,-2.875
NetIC48_1: IC48.1 IC48.3 R122.2 R124.2 | length 23
  TopLayer w0.3: R124.2@-187.873,-13.2 -187.873,-11.25 R122.2@-187.573,-10.95 -187.623,-10.9 v1(-187.623,-8.95)
  Bottom Layer w0.3: v1(-187.623,-8.95) -180.373,-8.95 -179.373,-7.95 -179.373,-5.2 -179.033,-4.86 IC48.1@-177.623,-4.86 -176.326,-4.86 -176.121,-4.655 -176.121,-2.496 -176.296,-2.32 IC48.3@-177.623,-2.32
NetIC48_4: IC48.4 IC48.6 R115.2 R118.2 | length 15.2
  TopLayer w0.3: R118.2@-183.373,-2.95 -183.373,-0.95 R115.2@-183.123,-0.7 v1(-183.123,1.3)
  Bottom Layer w0.3: v1(-183.123,1.3) -182.933,1.49 IC48.6@-177.623,1.49 -177.542,1.409 -176.299,1.409 -176.123,1.233 -176.123,-0.763 -176.299,-0.939 -177.512,-0.939 IC48.4@-177.623,-1.05
NetIC48_7: IC48.7 IC48.9 R107.2 R112.2 | length 20.9
  TopLayer w0.3: v1(-188.873,7.3) R112.2@-188.063,7.3 -188.063,8.335 -187.623,8.775 R107.2@-187.623,9.55
  Bottom Layer w0.3: v1(-188.873,7.3) -188.823,7.25 -188.823,6.671 -188.202,6.05 -179.547,6.05 -178.878,5.381 -177.704,5.381 -177.622,5.299 -176.299,5.299 -176.123,5.123 -176.123,3.05 -176.35,2.823 -177.56,2.823 IC48.7@-177.623,2.76
NetIC48_10: IC48.10 IC48.12 R102.2 R104.2 | length 23.5
  TopLayer w0.3: v1(-184.123,17.55) R104.2@-183.373,17.55 -183.373,19.55 R102.2@-183.123,19.8
  Bottom Layer w0.3: v1(-184.123,17.55) -181.623,17.55 -180.873,18.3 -179.873,18.3 -179.333,17.76 -179.333,10.12 -178.323,9.11 -176.299,9.11 -176.123,8.934 -176.123,6.746 -176.299,6.57 IC48.10@-177.623,6.57
NetIC48_14: IC48.14 IC48.15 R108.1 | length 26.1
  Bottom Layer w0.3: IC48.15@-168.323,6.57 -168.173,6.72 -167.238,6.72 -166.748,7.21 ; IC48.14@-168.323,7.84 -168.173,7.69 -167.228,7.69 -166.748,7.21 ; R108.1@-146.373,2.175 -160.471,2.175 -165.506,7.21 -166.748,7.21
NetIC48_17: IC48.17 IC48.18 R110.1 | length 25.1
  Bottom Layer w0.3: IC48.18@-168.323,2.76 -168.173,2.91 -167.238,2.91 -166.748,3.4 ; IC48.17@-168.323,4.03 -168.173,3.88 -167.228,3.88 -166.748,3.4 ; R110.1@-146.373,0.925 -161.123,0.925 -163.598,3.4 -166.748,3.4
NetIC48_19: IC48.19 IC48.20 R113.1 | length 24.5
  Bottom Layer w0.3: IC48.20@-168.323,0.22 -168.173,0.37 -167.238,0.37 -166.748,0.86 ; IC48.19@-168.323,1.49 -168.173,1.34 -167.228,1.34 -166.748,0.86 ; R113.1@-146.373,-0.325 -161.998,-0.325 -163.183,0.86 -166.748,0.86
NetIC48_22: IC48.22 IC48.23 R116.1 | length 24.6
  Bottom Layer w0.3: IC48.23@-168.323,-3.59 -168.173,-3.44 -167.238,-3.44 -166.748,-2.95 ; IC48.22@-168.323,-2.32 -168.173,-2.47 -167.228,-2.47 -166.748,-2.95 ; R116.1@-146.373,-1.575 -162.248,-1.575 -163.623,-2.95 -166.748,-2.95
NetIC48_24: IC48.24 R189.1 T14.1 T15.3 | length 26.2
  TopLayer w0.3: R189.1@-177.343,10.8 -177.343,9.901 -177.519,9.725 -177.798,9.725 -178.023,9.5 T14.1@-178.023,7 -177.923,6.9 -170,6.9 -169.4,6.3 -169.4,-4.4 v1(-169.9,-4.9)
  Bottom Layer w0.3: v1(-169.9,-4.9) -169.86,-4.86 IC48.24@-168.323,-4.86
NetIC51_1: IC51.1 R193.1 | length 1.4
  TopLayer w0.3: IC51.1@-169.58,9.455 -168.25,9.455 R193.1@-168.23,9.475
NetJ1_1: J1.1 R7.1 | length 55.1
  Bottom Layer w0.3: J1.1@-173.623,66.51 -172.113,65 -170.8,65 -170,64.2 -168.6,64.2 -167.8,63.4 -166.7,63.4 -165.6,62.3 -164.5,62.3 -160.5,58.3 -147.2,58.3 -132.6,43.7 R7.1@-127.94,43.7
NetJ1_3: J1.3 R8.1 | length 52.1
  Bottom Layer w0.3: J1.3@-171.083,66.51 -169.573,65 -168.2,65 -167.4,64.2 -166.3,64.2 -165.3,63.2 -164.1,63.2 -160.1,59.2 -146.8,59.2 -132.6,45 R8.1@-127.94,45
NetJ1_5: J1.5 R9.1 | length 49
  Bottom Layer w0.3: J1.5@-168.543,66.51 -167.033,65 -165.8,65 -164.9,64.1 -163.6,64.1 -159.7,60.2 -146.4,60.2 -132.52,46.32 R9.1@-127.94,46.32
NetJ1_7: J1.7 R10.1 | length 45.9
  Bottom Layer w0.3: J1.7@-166.003,66.51 -164.493,65 -163.3,65 -159.4,61.1 -145.9,61.1 -132.4,47.6 R10.1@-127.94,47.6
NetJ1_9: J1.9 R11.1 | length 42.9
  Bottom Layer w0.3: J1.9@-163.463,66.51 -163.463,66.436 -159.127,62.1 -145.5,62.1 -132.329,48.929 R11.1@-127.881,48.929
NetJ1_21: J1.21 R20.1 | length 17.1
  Bottom Layer w0.3: J1.21@-148.223,66.51 -146.613,64.9 -145.4,64.9 -144.7,64.2 -143.2,64.2 -142.3,63.3 -141.7,63.3 -138.5,60.1 -134.5,60.1 R20.1@-133.74,60.1
NetJ1_23: J1.23 R21.1 | length 14.1
  Bottom Layer w0.3: J1.23@-145.683,66.51 -144.073,64.9 -142.7,64.9 -141.9,64.1 -141.1,64.1 -138.3,61.3 -134.6,61.3 R21.1@-133.74,61.3
NetJ1_25: J1.25 R22.1 | length 11.1
  Bottom Layer w0.3: J1.25@-143.143,66.51 -141.533,64.9 -140.5,64.9 -138.1,62.5 -134.6,62.5 R22.1@-133.74,62.5
NetJ1_27: J1.27 R23.1 | length 8
  Bottom Layer w0.3: J1.27@-140.603,66.51 -137.793,63.7 -134.6,63.7 R23.1@-133.74,63.7
NetJ1_29: J1.29 R24.1 | length 4.9
  Bottom Layer w0.3: J1.29@-138.063,66.51 -136.653,65.1 R24.1@-133.74,65.1
NetLD2_1: LD2.1 R87.2 | length 2.1
  TopLayer w0.15: LD2.1@-192.243,45.05 -192.243,46.902 R87.2@-192.088,47.057
NetLD2_3: LD2.3 R88.2 | length 2
  TopLayer w0.15: LD2.3@-187.163,45.05 -187.163,47.01 R88.2@-187.123,47.05
NetLD4_2: LD4.2 R224.1 | length 1.3
  TopLayer w0.3: R224.1@-71.35,68.4 -71.25,68.3 LD4.2@-70.1,68.3
NetLD5_2: LD5.2 R225.1 | length 1.3
  TopLayer w0.3: LD5.2@-68.6,68.3 -67.45,68.3 R225.1@-67.35,68.4
NetLD8_1: LD8.1 R183.2 | length 2.1
  TopLayer w0.15: LD8.1@-192.243,4.05 -192.243,5.902 R183.2@-192.088,6.057
NetLD8_3: LD8.3 R184.2 | length 2
  TopLayer w0.15: LD8.3@-187.163,4.05 -187.163,6.01 R184.2@-187.123,6.05
NetLD11_4: LD11.4 R186.1 | length 74.3
  TopLayer w0.3: v1(-111.5,-16) R186.1@-110.8,-16
  Bottom Layer w0.3: LD11.4@-184.623,-15.95 -151.05,-15.95 -150.5,-15.4 -142.7,-15.4 -142.1,-16 v1(-111.5,-16)
NetR1_1: R1.1 T2.3 | length 44.8
  TopLayer w0.3: v1(-42.88,-13.4) -42.9,-13.42 -42.9,-18.223 -42.871,-18.253 -42.871,-18.394 v1(-42.832,-18.432)
  Bottom Layer w0.3: T2.3@-44.325,-18.5 -42.954,-18.5 -42.886,-18.432 v1(-42.832,-18.432) ; v1(-42.88,-13.4) -28,-13.4 -21,-20.4 R1.1@-7.6,-20.4
NetR33_1: R33.1 T1.3 | length 2.8
  TopLayer w0.3: T1.3@-54.05,-15.275 -54.05,-12.625 R33.1@-53.95,-12.525
NetR62_1: R62.1 T3.3 | length 5.2
  TopLayer w0.3: v1(-181.923,59.55) -181.873,59.55 -181.823,59.5 T3.3@-178.873,59.5
  Bottom Layer w0.3: R62.1@-183.123,60.8 -183.123,60.025 -182.698,59.6 -182.473,59.6 -182.423,59.55 v1(-181.923,59.55)
NetR68_1: R68.1 T4.3 | length 5.2
  TopLayer w0.3: v1(-186.373,49.3) -186.323,49.3 -186.273,49.25 T4.3@-183.323,49.25
  Bottom Layer w0.3: R68.1@-187.573,50.55 -187.573,49.775 -187.148,49.35 -186.923,49.35 -186.873,49.3 v1(-186.373,49.3)
NetR74_1: R74.1 T5.3 | length 5.2
  TopLayer w0.3: v1(-181.923,39.05) -181.873,39.05 -181.823,39 T5.3@-178.873,39
  Bottom Layer w0.3: R74.1@-183.123,40.3 -183.123,39.525 -182.698,39.1 -182.473,39.1 -182.423,39.05 v1(-181.923,39.05)
NetR79_1: R79.1 T6.3 | length 5.2
  TopLayer w0.3: v1(-186.373,28.8) -186.323,28.8 -186.273,28.75 T6.3@-183.323,28.75
  Bottom Layer w0.3: R79.1@-187.573,30.05 -187.573,29.275 -187.148,28.85 -186.923,28.85 -186.873,28.8 v1(-186.373,28.8)
NetR87_1: R87.1 T9.3 | length 11.9
  TopLayer w0.15: R87.1@-191.148,47.057 -191.14,47.05 -188.123,47.05 -187.499,47.674 -185.746,47.674 -185.373,47.3 -179.973,47.3 T9.3@-179.723,47.05
NetR88_1: R88.1 T7.3 | length 11.1
  TopLayer w0.15: R88.1@-186.183,47.05 -186.183,47.03 -185.968,46.815 -185.895,46.815 -185.88,46.8 -180.974,46.8 -180.474,46.3 -179.123,46.3 -178.373,47.05 T7.3@-175.723,47.05
NetR92_1: R92.1 R97.2 T8.1 T9.1 | length 6.8
  TopLayer w0.3: T9.1@-182.023,48 -182.198,48 -182.373,48.175 -182.373,50.8 -182.153,51.02 R97.2@-181.623,51.02 -180.924,51.02 -180.748,51.196 -180.748,51.275 T8.1@-180.573,51.45 ; R92.1@-181.623,52.05 -180.973,52.05 -180.748,51.825 -180.748,51.625 T8.1@-180.573,51.45 ; T8.1@-180.373,51.45 T8.1@-180.573,51.45
NetR105_1: R105.1 T10.3 | length 5.2
  TopLayer w0.3: v1(-181.923,18.55) -181.873,18.55 -181.823,18.5 T10.3@-178.873,18.5
  Bottom Layer w0.3: R105.1@-183.123,19.8 -183.123,19.025 -182.698,18.6 -182.473,18.6 -182.423,18.55 v1(-181.923,18.55)
NetR111_1: R111.1 T11.3 | length 5.2
  TopLayer w0.3: v1(-186.423,8.3) -186.373,8.3 -186.323,8.25 T11.3@-183.373,8.25
  Bottom Layer w0.3: R111.1@-187.623,9.55 -187.623,8.775 -187.198,8.35 -186.973,8.35 -186.923,8.3 v1(-186.423,8.3)
NetR117_1: R117.1 T12.3 | length 5.2
  TopLayer w0.3: v1(-181.923,-1.95) -181.873,-1.95 -181.823,-2 T12.3@-178.873,-2
  Bottom Layer w0.3: R117.1@-183.123,-0.7 -183.123,-1.475 -182.698,-1.9 -182.473,-1.9 -182.423,-1.95 v1(-181.923,-1.95)
NetR123_1: R123.1 T13.3 | length 5.2
  TopLayer w0.3: v1(-186.373,-12.2) -186.323,-12.2 -186.273,-12.25 T13.3@-183.323,-12.25
  Bottom Layer w0.3: R123.1@-187.573,-10.95 -187.573,-11.725 -187.148,-12.15 -186.923,-12.15 -186.873,-12.2 v1(-186.373,-12.2)
NetR183_1: R183.1 T16.3 | length 11.9
  TopLayer w0.15: R183.1@-191.148,6.057 -191.148,6.077 -190.933,6.292 -190.913,6.292 -190.534,6.671 -185.494,6.671 -185.099,6.277 -179.949,6.277 T16.3@-179.723,6.05
NetR184_1: R184.1 T14.3 | length 11.1
  TopLayer w0.15: R184.1@-186.183,6.05 -186.183,6.03 -185.968,5.815 -185.948,5.815 -185.933,5.8 -180.873,5.8 -180.373,5.3 -179.123,5.3 -178.373,6.05 T14.3@-175.723,6.05
NetR197_1: R197.1 R198.2 T15.1 T16.1 | length 7
  TopLayer w0.3: T16.1@-182.023,7 -182.198,7 -182.373,7.175 -182.373,9.8 -182.153,10.02 R198.2@-181.623,10.02 -180.824,10.02 -180.648,10.196 -180.648,10.325 T15.1@-180.473,10.5 ; R197.1@-181.623,11.05 -180.824,11.05 -180.648,10.874 -180.648,10.675 T15.1@-180.473,10.5 ; T15.1@-180.273,10.5 T15.1@-180.473,10.5